# KiCad board simpleLogicCircuit.kicad_pcb
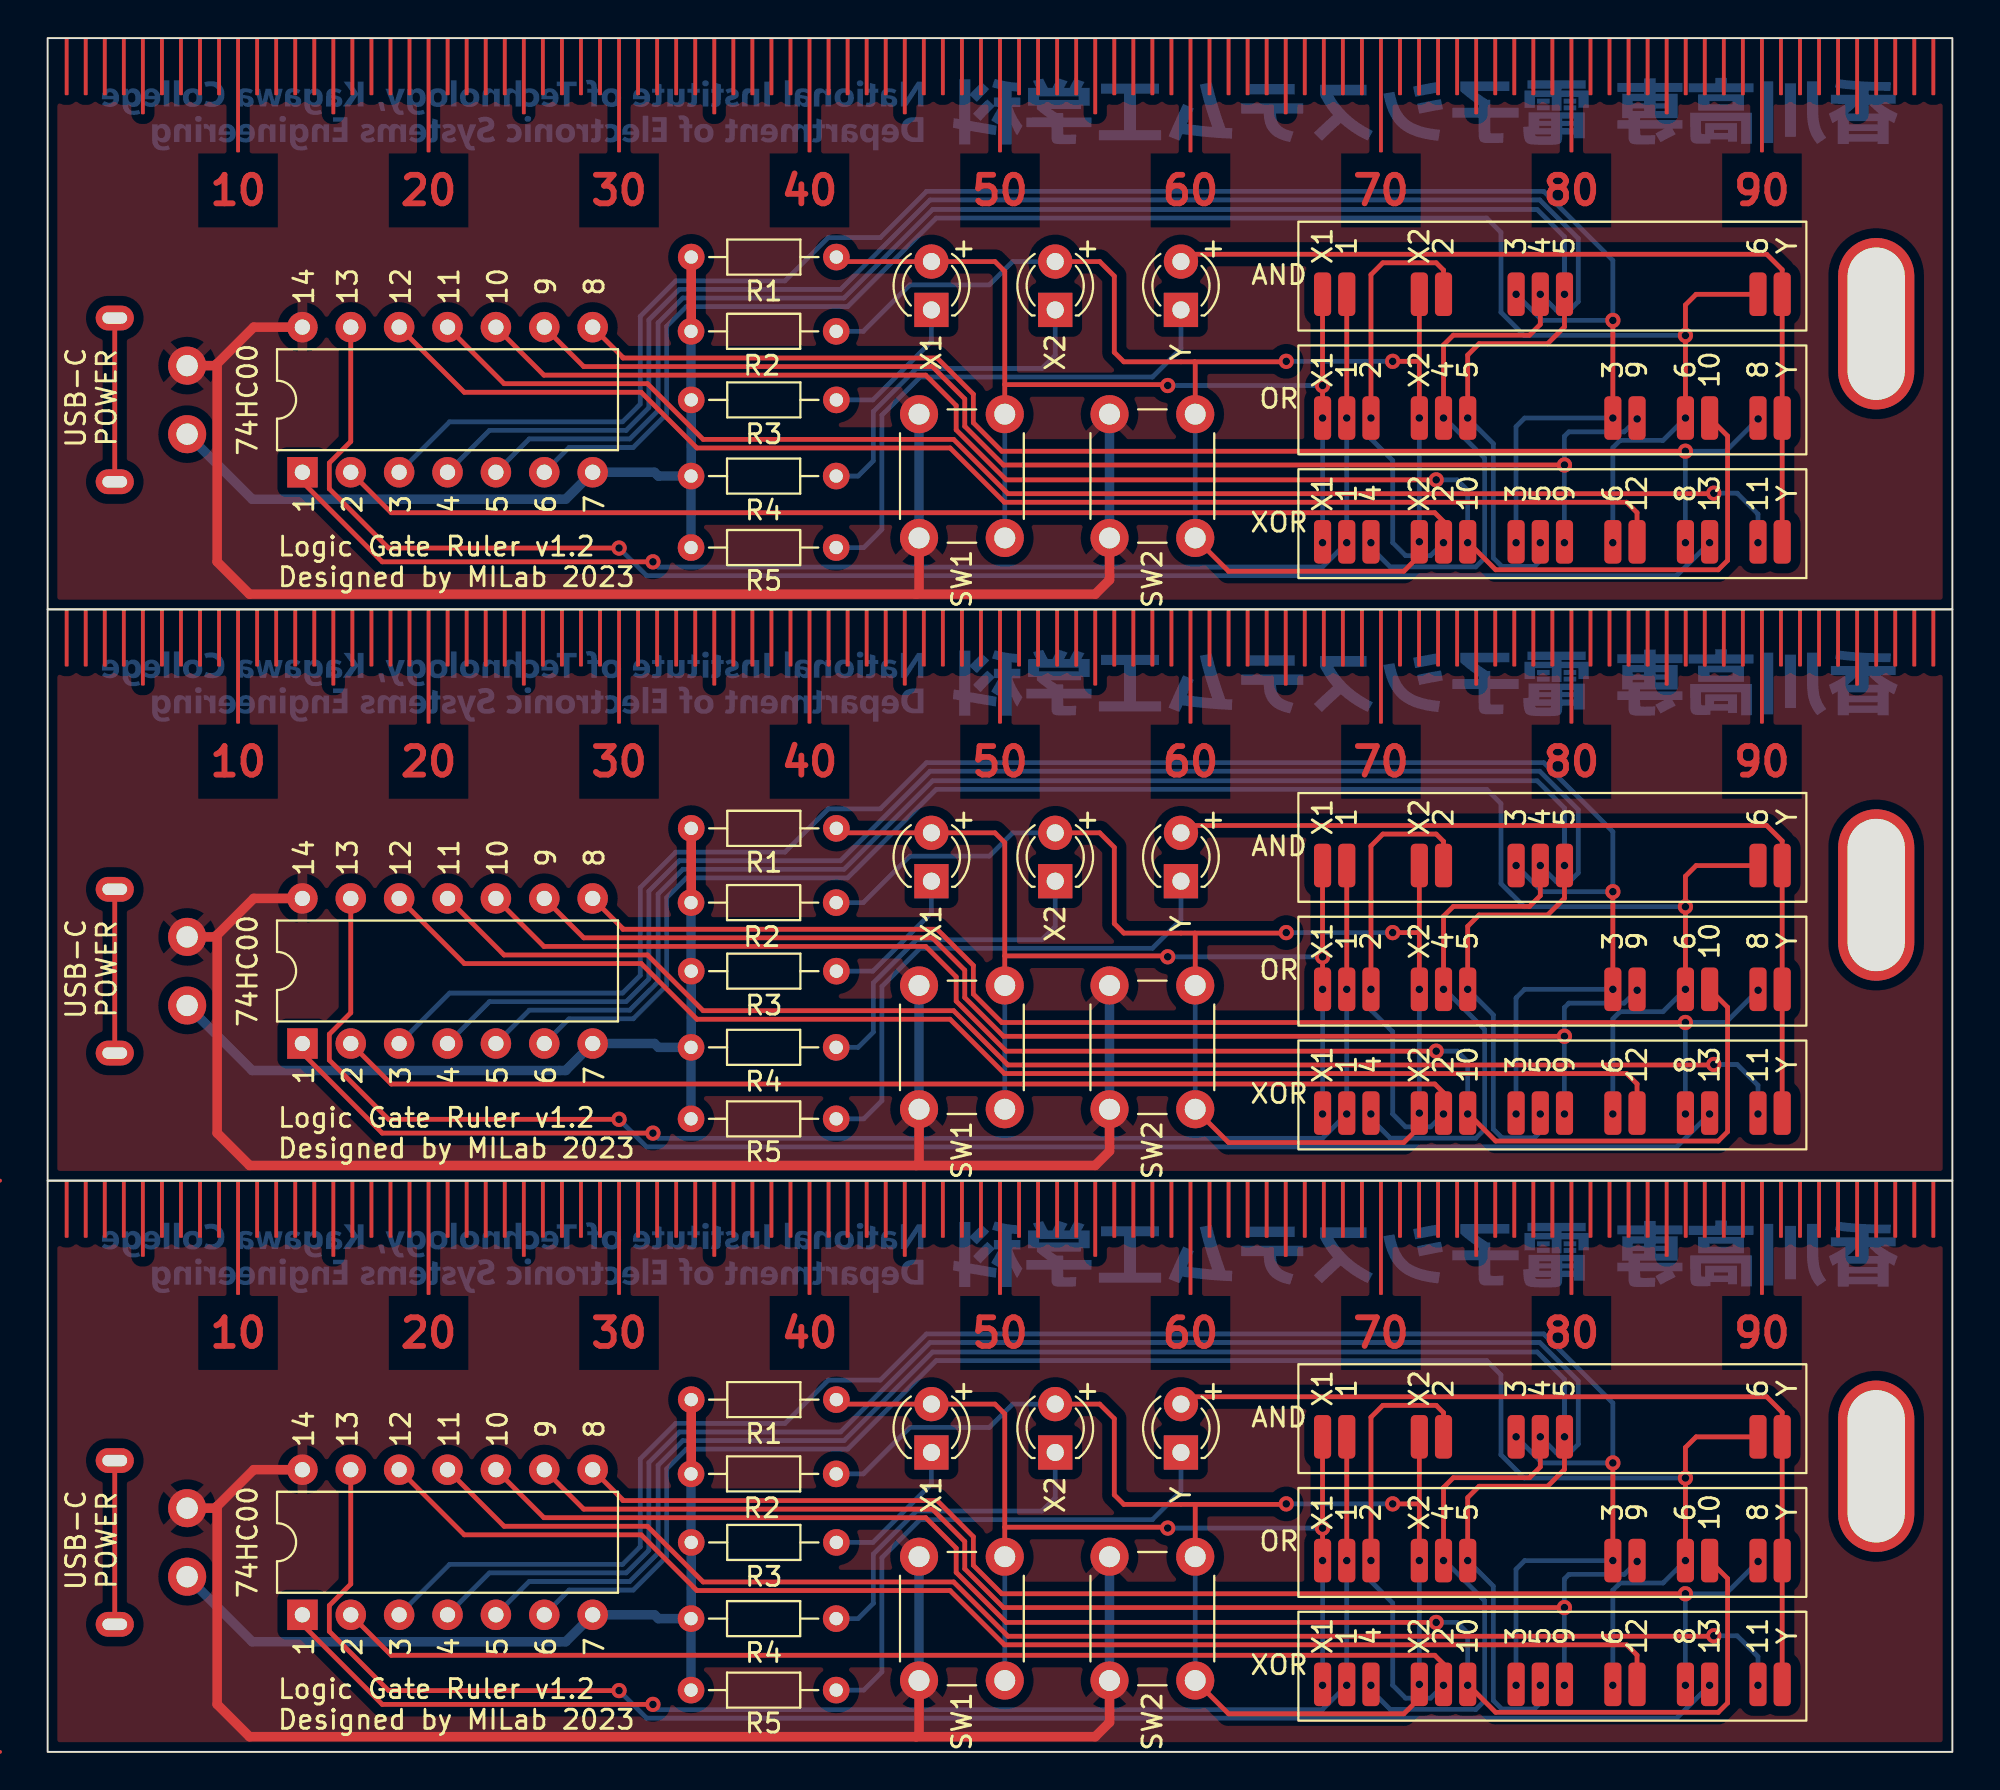
[diagram p0: board, top side]
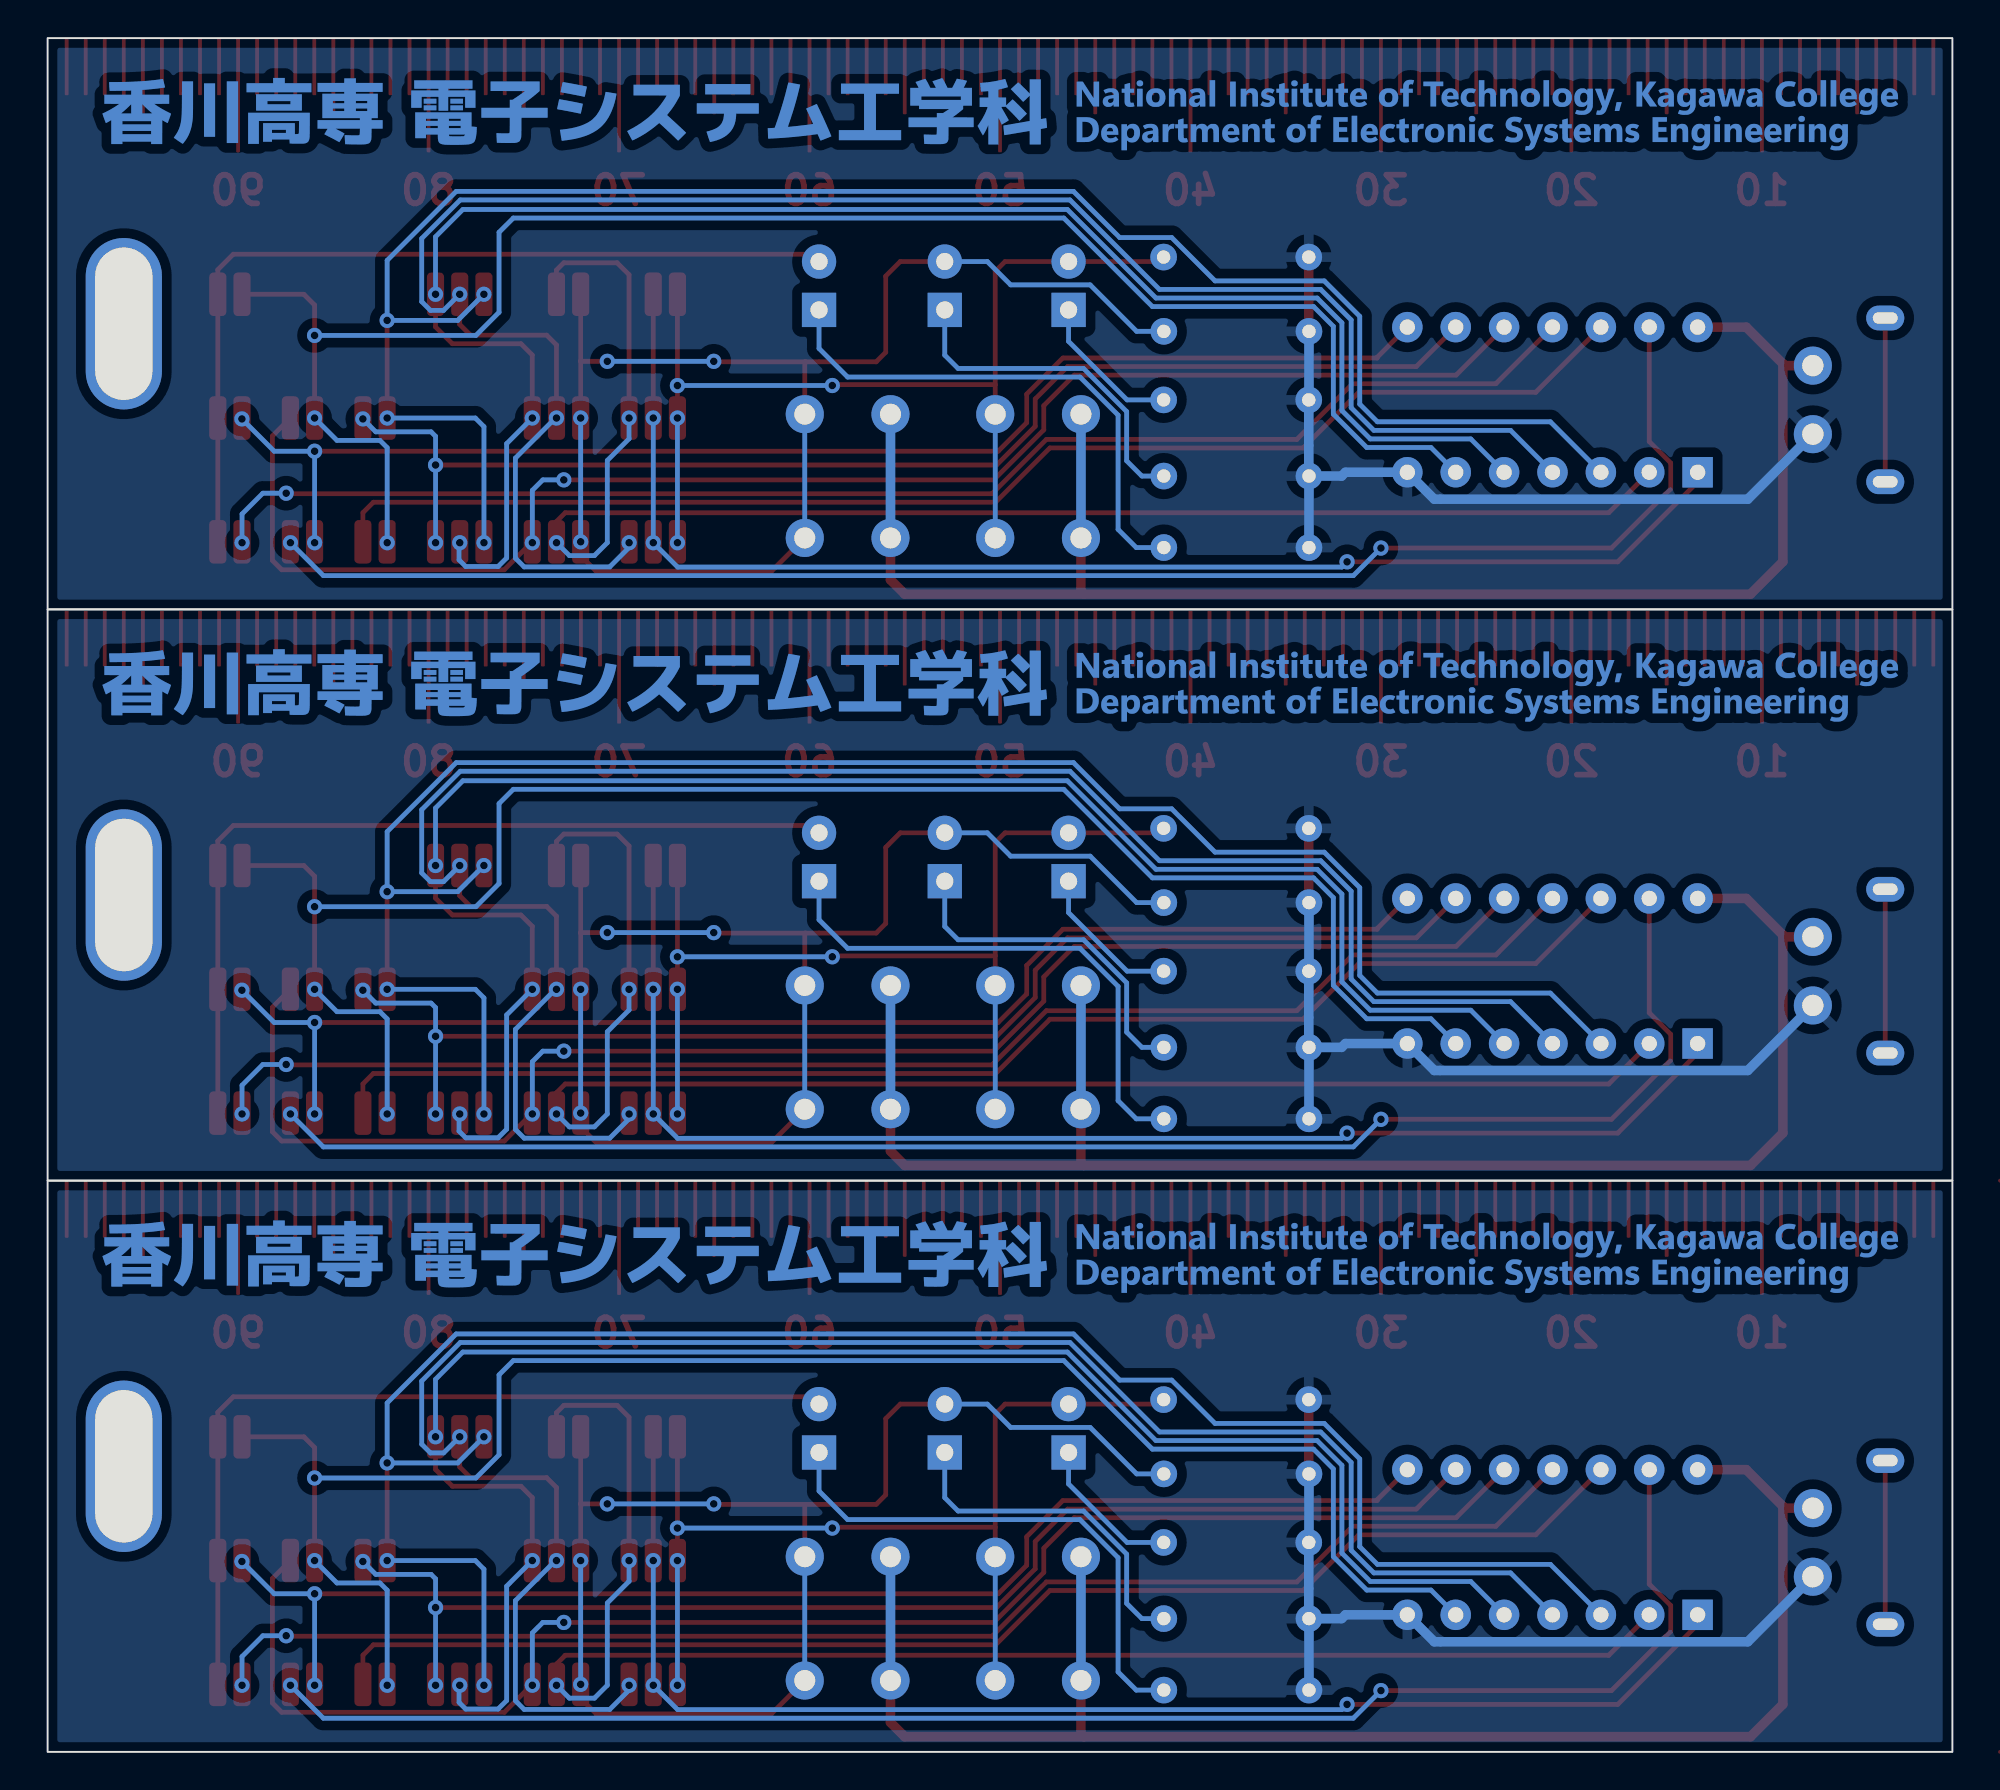
[diagram p1: board, bottom side, seen from below]

Outline 100 x 90 mm; copper layers: Top, Bottom. Coordinates in mm from the lower left corner of the outline.
Outline path: rectangle 0,90 100,60 ; rectangle 0,60 100,30 ; rectangle 0,30 100,0
Stack: Top 0.035mm / dielectric 1.51mm FR4 er 4.5 / Bottom 0.035mm

## Placement (name value [footprint] x y rotation side)
74HC00  74HC00  [DIP-14_W7.62mm]  13.38 37.2 90 top
74HC00#2  74HC00  [DIP-14_W7.62mm]  13.38 67.2 90 top
74HC00#3  74HC00  [DIP-14_W7.62mm]  13.38 7.2 90 top
AND  Pads_AND  [pads_of_and]  66.94 46.55 0 top
AND#2  Pads_AND  [pads_of_and]  66.94 16.55 0 top
AND#3  Pads_AND  [pads_of_and]  66.94 76.55 0 top
G***  LOGO  [logo_text_nitkc]  49.7 55.62 180 bottom
G***#2  LOGO  [logo_text_nitkc]  49.7 25.62 180 bottom
G***#3  LOGO  [logo_text_nitkc]  49.7 85.62 180 bottom
OR  Pads_OR  [pads_of_or]  66.94 70.05 0 top
OR#2  Pads_OR  [pads_of_or]  66.94 40.05 0 top
OR#3  Pads_OR  [pads_of_or]  66.94 10.05 0 top
R1  10k  [R_Axial_DIN0204_L3.6mm_D1.6mm_P7.62mm_Horizontal]  41.41 48.5 180 top
R1#2  10k  [R_Axial_DIN0204_L3.6mm_D1.6mm_P7.62mm_Horizontal]  41.41 78.5 180 top
R1#3  10k  [R_Axial_DIN0204_L3.6mm_D1.6mm_P7.62mm_Horizontal]  41.41 18.5 180 top
R2  10k  [R_Axial_DIN0204_L3.6mm_D1.6mm_P7.62mm_Horizontal]  41.4 14.6 180 top
R2#2  10k  [R_Axial_DIN0204_L3.6mm_D1.6mm_P7.62mm_Horizontal]  41.4 44.6 180 top
R2#3  10k  [R_Axial_DIN0204_L3.6mm_D1.6mm_P7.62mm_Horizontal]  41.4 74.6 180 top
R3  R  [R_Axial_DIN0204_L3.6mm_D1.6mm_P7.62mm_Horizontal]  41.41 71 180 top
R3#2  R  [R_Axial_DIN0204_L3.6mm_D1.6mm_P7.62mm_Horizontal]  41.41 41 180 top
R3#3  R  [R_Axial_DIN0204_L3.6mm_D1.6mm_P7.62mm_Horizontal]  41.41 11 180 top
R4  R  [R_Axial_DIN0204_L3.6mm_D1.6mm_P7.62mm_Horizontal]  41.4 37 180 top
R4#2  R  [R_Axial_DIN0204_L3.6mm_D1.6mm_P7.62mm_Horizontal]  41.4 7 180 top
R4#3  R  [R_Axial_DIN0204_L3.6mm_D1.6mm_P7.62mm_Horizontal]  41.4 67 180 top
R5  R  [R_Axial_DIN0204_L3.6mm_D1.6mm_P7.62mm_Horizontal]  41.4 33.25 180 top
R5#2  R  [R_Axial_DIN0204_L3.6mm_D1.6mm_P7.62mm_Horizontal]  41.4 63.25 180 top
R5#3  R  [R_Axial_DIN0204_L3.6mm_D1.6mm_P7.62mm_Horizontal]  41.4 3.25 180 top
REF**  -  [ruler_10cm]  0 60 0 top
REF**#2  -  [keyringhole]  96 15 0 top
REF**#3  -  [ruler_10cm]  0 90 0 top
REF**#4  -  [keyringhole]  96 45 0 top
REF**#5  -  [keyringhole]  96 75 0 top
REF**#6  -  [ruler_10cm]  0 30 0 top
SW1  SW_Push  [SW_PUSH_6mm]  45.75 63.75 90 top
SW1#2  SW_Push  [SW_PUSH_6mm]  45.75 33.75 90 top
SW1#3  SW_Push  [SW_PUSH_6mm]  45.75 3.75 90 top
SW2  SW_Push  [SW_PUSH_6mm]  55.75 33.75 90 top
SW2#2  SW_Push  [SW_PUSH_6mm]  55.75 3.75 90 top
SW2#3  SW_Push  [SW_PUSH_6mm]  55.75 63.75 90 top
USB-C PWR  USB_C_Receptacle_PowerOnly_6P  [USB-C-A295-CTRPB-1]  -0.07 71 270 top
USB-C PWR#2  USB_C_Receptacle_PowerOnly_6P  [USB-C-A295-CTRPB-1]  -0.07 11 270 top
USB-C PWR#3  USB_C_Receptacle_PowerOnly_6P  [USB-C-A295-CTRPB-1]  -0.07 41 270 top
X1  LED  [LED_D3.0mm]  46.4 15.72 90 top
X1#2  LED  [LED_D3.0mm]  46.4 45.72 90 top
X1#3  LED  [LED_D3.0mm]  46.4 75.72 90 top
X2  LED  [LED_D3.0mm]  52.9 15.72 90 top
X2#2  LED  [LED_D3.0mm]  52.9 45.72 90 top
X2#3  LED  [LED_D3.0mm]  52.9 75.72 90 top
XOR  Pads_XOR  [pads_of_xor]  66.94 63.55 0 top
XOR#2  Pads_XOR  [pads_of_xor]  66.94 33.55 0 top
XOR#3  Pads_XOR  [pads_of_xor]  66.94 3.55 0 top
Y  LED  [LED_D3.0mm]  59.5 45.72 90 top
Y#2  LED  [LED_D3.0mm]  59.5 75.72 90 top
Y#3  LED  [LED_D3.0mm]  59.5 15.72 90 top

## Footprints (pads in the part's own frame, mm; a bottom-side part is the same pattern mirrored in y, then rotated)
DIP-14_W7.62mm
  rect 1.6x1.6 hole 0.8: 1(0,0)
  oval 1.6x1.6 hole 0.8: 2(0,-2.54) 3(0,-5.08) 4(0,-7.62) 5(0,-10.16) 6(0,-12.7) 7(0,-15.24) 8(7.62,-15.24) 9(7.62,-12.7) 10(7.62,-10.16) 11(7.62,-7.62) 12(7.62,-5.08) 13(7.62,-2.54) 14(7.62,0)
keyringhole
  oval 4x9 hole 3x8: 2(0,0)
LED_D3.0mm
  rect 1.8x1.8 hole 0.9: 1(0,0)
  round 1.8 hole 0.9: 2(2.54,0)
pads_of_and
  rrect 0.9x2.286 smd: 1(0,0) 2(1.27,0) 3(5.08,0) 4(6.35,0) 5(10.16,0) 6(11.43,0) 7(12.7,0) 8(22.86,0) 9(24.13,0)
pads_of_or
  rrect 0.9x2.286 smd: 1(0,0) 2(1.27,0) 3(2.54,0) 4(5.08,0) 5(6.35,0) 6(7.62,0) 7(15.24,0) 8(16.51,0) 9(19.05,0) 10(20.32,0) 11(22.86,0) 12(24.13,0)
pads_of_xor
  rrect 0.9x2.286 smd: 1(0,0) 2(1.27,0) 3(2.54,0) 4(5.08,0) 5(6.35,0) 6(7.62,0) 7(10.16,0) 8(11.43,0) 9(12.7,0) 10(15.24,0) 11(16.51,0) 12(19.05,0) 13(20.32,0) 14(22.86,0) 15(24.13,0)
R_Axial_DIN0204_L3.6mm_D1.6mm_P7.62mm_Horizontal
  round 1.4 hole 0.7: 1(0,0)
  oval 1.4x1.4 hole 0.7: 2(7.62,0)
ruler_10cm
  rrect 0.2x6 smd: 4(10,-3) 5(20,-3) 6(30,-3) 7(40,-3) 8(50,-3) 9(60,-3) 10(70,-3) 11(80,-3) 12(90,-3)
  rrect 0.2x4 smd: 13(5,-2) 14(15,-2) 15(25,-2) 16(35,-2) 17(45,-2) 18(55,-2) 19(65,-2) 20(75,-2) 21(85,-2) 22(95,-2)
  rrect 0.2x3 smd: 23(4,-1.5) 24(3,-1.5) 25(2,-1.5) 26(1,-1.5) 27(6,-1.5) 28(7,-1.5) 29(8,-1.5) 30(9,-1.5) 31(11,-1.5) 32(12,-1.5) 33(13,-1.5) 34(14,-1.5) 35(16,-1.5) 36(17,-1.5) 37(18,-1.5) 38(19,-1.5) 39(21,-1.5) 40(22,-1.5) 41(23,-1.5) 42(24,-1.5) 43(26,-1.5) 44(27,-1.5) 45(28,-1.5) 46(29,-1.5) 47(31,-1.5) 48(32,-1.5) 49(33,-1.5) 50(34,-1.5) 51(36,-1.5) 52(37,-1.5) 53(38,-1.5) 54(39,-1.5) 55(41,-1.5) 56(42,-1.5) 57(43,-1.5) 58(44,-1.5) 59(46,-1.5) 60(47,-1.5) 61(48,-1.5) 62(49,-1.5) 63(51,-1.5) 64(52,-1.5) 65(53,-1.5) 66(54,-1.5) 67(56,-1.5) 68(57,-1.5) 69(58,-1.5) 70(59,-1.5) 71(61,-1.5) 73(62,-1.5) 74(63,-1.5) 75(64,-1.5) 76(66,-1.5) 77(67,-1.5) 78(68,-1.5) 79(69,-1.5) 80(71,-1.5) 81(72,-1.5) 82(73,-1.5) 83(74,-1.5) 84(76,-1.5) 85(77,-1.5) 86(78,-1.5) 87(79,-1.5) 88(81,-1.5) 89(82,-1.5) 90(83,-1.5) 91(84,-1.5) 92(86,-1.5) 93(87,-1.5) 94(88,-1.5) 95(89,-1.5) 96(91,-1.5) 97(92,-1.5) 98(93,-1.5) 99(94,-1.5) 100(96,-1.5) 101(97,-1.5) 102(98,-1.5) 103(99,-1.5)
SW_PUSH_6mm
  round 2 hole 1.1: 1(0,0) 1(6.5,0) 2(0,-4.5) 2(6.5,-4.5)
USB-C-A295-CTRPB-1
  round 2 hole 1.12: A9(-1.8,7.4) A12(1.8,7.4)
  oval 1.3x2 hole 0.6x1.3: S1(-4.3,3.6) S1(4.3,3.6)

## Nets
+5V: 74HC00.14 74HC00#2.14 74HC00#3.14 SW1.1 SW1#2.1 SW1#3.1 SW2.1 SW2#2.1 SW2#3.1 USB-C PWR.A9 USB-C PWR#2.A9 USB-C PWR#3.A9
GND: 74HC00.7 74HC00#2.7 74HC00#3.7 R1.2 R1#2.2 R1#3.2 R2.2 R2#2.2 R2#3.2 R3.2 R3#2.2 R3#3.2 R4.2 R4#2.2 R4#3.2 R5.2 R5#2.2 R5#3.2 USB-C PWR.A12 USB-C PWR#2.A12 USB-C PWR#3.A12
/74HC00-1: 74HC00.1 74HC00#2.1 74HC00#3.1 AND.2 AND#2.2 AND#3.2 OR.2 OR#2.2 OR#3.2 XOR.2 XOR#2.2 XOR#3.2
/74HC00-2: 74HC00.2 74HC00#2.2 74HC00#3.2 AND.4 AND#2.4 AND#3.4 OR.3 OR#2.3 OR#3.3 XOR.5 XOR#2.5 XOR#3.5
/74HC00-3: 74HC00.3 74HC00#2.3 74HC00#3.3 AND.5 AND#2.5 AND#3.5 OR.7 OR#2.7 OR#3.7 XOR.7 XOR#2.7 XOR#3.7
/74HC00-4: 74HC00.4 74HC00#2.4 74HC00#3.4 AND.6 AND#2.6 AND#3.6 OR.5 OR#2.5 OR#3.5 XOR.3 XOR#2.3 XOR#3.3
/74HC00-5: 74HC00.5 74HC00#2.5 74HC00#3.5 AND.7 AND#2.7 AND#3.7 OR.6 OR#2.6 OR#3.6 XOR.8 XOR#2.8 XOR#3.8
/74HC00-6: 74HC00.6 74HC00#2.6 74HC00#3.6 AND.8 AND#2.8 AND#3.8 OR.9 OR#2.9 OR#3.9 XOR.10 XOR#2.10 XOR#3.10
/74HC00-8: 74HC00.8 74HC00#2.8 74HC00#3.8 OR.11 OR#2.11 OR#3.11 XOR.12 XOR#2.12 XOR#3.12
/74HC00-9: 74HC00.9 74HC00#2.9 74HC00#3.9 OR.8 OR#2.8 OR#3.8 XOR.9 XOR#2.9 XOR#3.9
/74HC00-10: 74HC00.10 74HC00#2.10 74HC00#3.10 OR.10 OR#2.10 OR#3.10 XOR.6 XOR#2.6 XOR#3.6
/74HC00-11: 74HC00.11 74HC00#2.11 74HC00#3.11 XOR.14 XOR#2.14 XOR#3.14
/74HC00-12: 74HC00.12 74HC00#2.12 74HC00#3.12 XOR.11 XOR#2.11 XOR#3.11
/74HC00-13: 74HC00.13 74HC00#2.13 74HC00#3.13 XOR.13 XOR#2.13 XOR#3.13
/X1: AND.1 AND#2.1 AND#3.1 OR.1 OR#2.1 OR#3.1 R1.1 R1#2.1 R1#3.1 SW1.2 SW1#2.2 SW1#3.2 X1.2 X1#2.2 X1#3.2 XOR.1 XOR#2.1 XOR#3.1
/X2: AND.3 AND#2.3 AND#3.3 OR.4 OR#2.4 OR#3.4 R2.1 R2#2.1 R2#3.1 SW2.2 SW2#2.2 SW2#3.2 X2.2 X2#2.2 X2#3.2 XOR.4 XOR#2.4 XOR#3.4
/Y: AND.9 AND#2.9 AND#3.9 OR.12 OR#2.12 OR#3.12 XOR.15 XOR#2.15 XOR#3.15 Y.2 Y#2.2 Y#3.2
Net-(D1-Pad1): R3.1 R3#2.1 R3#3.1 X1.1 X1#2.1 X1#3.1
Net-(D2-Pad1): R4.1 R4#2.1 R4#3.1 X2.1 X2#2.1 X2#3.1
Net-(D3-Pad1): R5.1 R5#2.1 R5#3.1 Y.1 Y#2.1 Y#3.1

Pads without a net: REF** 4 5 6 7 8 9 10 11 12 13 14 15 16 17 18 19 20 21 22 23 24 25 26 27 28 29 30 31 32 33 34 35 36 37 38 39 40 41 42 43 44 45 46 47 48 49 50 51 52 53 54 55 56 57 58 59 60 61 62 63 64 65 66 67 68 69 70 71 73 74 75 76 77 78 79 80 81 82 83 84 85 86 87 88 89 90 91 92 93 94 95 96 97 98 99 100 101 102 103; REF**#2 2; REF**#3 4 5 6 7 8 9 10 11 12 13 14 15 16 17 18 19 20 21 22 23 24 25 26 27 28 29 30 31 32 33 34 35 36 37 38 39 40 41 42 43 44 45 46 47 48 49 50 51 52 53 54 55 56 57 58 59 60 61 62 63 64 65 66 67 68 69 70 71 73 74 75 76 77 78 79 80 81 82 83 84 85 86 87 88 89 90 91 92 93 94 95 96 97 98 99 100 101 102 103; REF**#4 2; REF**#5 2; REF**#6 4 5 6 7 8 9 10 11 12 13 14 15 16 17 18 19 20 21 22 23 24 25 26 27 28 29 30 31 32 33 34 35 36 37 38 39 40 41 42 43 44 45 46 47 48 49 50 51 52 53 54 55 56 57 58 59 60 61 62 63 64 65 66 67 68 69 70 71 73 74 75 76 77 78 79 80 81 82 83 84 85 86 87 88 89 90 91 92 93 94 95 96 97 98 99 100 101 102 103; USB-C PWR S1; USB-C PWR#2 S1; USB-C PWR#3 S1

## Via types
v1: diameter 0.8, hole 0.4, Top to Bottom, 114 vias

## Routing (per net, layer and track width the routed paths; a pad name or vN(x,y) marks a point on that pad's centre or on a via; arc(x,y) is an arc through that point)
+5V: length 250.1
  Top w0.5: 45.6,0.8 10.6,0.8 8.9,2.5 8.9,12.9 ; 45.6,0.8 55,0.8 55.75,1.55 SW2#2.1 ; 45.6,0.8 45.75,0.95 SW1#3.1 ; 8.9,72.9 8.9,62.5 10.6,60.8 45.6,60.8 ; 8.9,72.9 10.82,74.82 74HC00#2.14 ; 8.9,72.9 8.8,72.8 USB-C PWR.A9 ; 8.9,12.9 10.82,14.82 74HC00#3.14 ; 8.9,12.9 8.8,12.8 USB-C PWR#2.A9 ; 45.6,60.8 55,60.8 55.75,61.55 SW2#3.1 ; 45.6,60.8 45.75,60.95 SW1.1 ; 8.9,42.9 10.82,44.82 74HC00.14 ; 8.9,42.9 8.9,32.5 10.6,30.8 45.6,30.8 ; 8.9,42.9 8.8,42.8 USB-C PWR#3.A9 ; SW2.1 55.75,31.55 55,30.8 45.6,30.8 ; SW1#2.1 45.75,30.95 45.6,30.8
  Bottom w0.5: SW2.1 SW2.1 ; SW1#3.1 SW1#3.1 ; SW2#2.1 SW2#2.1 ; SW1.1 SW1.1 ; SW1#2.1 SW1#2.1 ; SW2#3.1 SW2#3.1
GND: length 131.4
  Top w0.5: R2#3.2 33.79,74.61 R1#2.2 ; R1#3.2 33.79,14.61 R2.2 ; R2#2.2 33.79,44.61 R1.2
  Bottom w0.5: R2#3.2 33.78,71.01 R3.2 33.79,67.01 ; 33.79,7.01 R3#3.2 33.78,11.01 R2.2 ; USB-C PWR.A12 10.74,65.78 27.2,65.78 74HC00#2.7 31.86,67.2 32.06,67 R4#3.2 R5#2.2 ; R2#2.2 33.78,41.01 R3#2.2 33.79,37.01 ; R5.2 R4.2 32.06,37 31.86,37.2 74HC00.7 27.2,35.78 10.74,35.78 USB-C PWR#3.A12 ; R5#3.2 R4#2.2 32.06,7 31.86,7.2 74HC00#3.7 27.2,5.78 10.74,5.78 USB-C PWR#2.A12
/74HC00-1: length 212.3
  Top w0.25: AND#2.2 v1(68.2,10.05) ; v1(31.78,2.5) 17.57,2.5 13.38,6.69 74HC00#3.1 ; v1(31.78,32.5) 17.57,32.5 13.38,36.69 74HC00.1 ; AND#3.2 v1(68.2,70.05) ; AND.2 v1(68.2,40.05) ; 74HC00#2.1 13.38,66.69 17.57,62.5 v1(31.78,62.5)
  Bottom w0.25: v1(68.2,10.05) 68.2,10.05 v1(68.2,3.5) 66.92,2.22 32.05,2.22 v1(31.78,2.5) ; v1(68.2,70.05) 68.2,70.05 v1(68.2,63.5) 66.92,62.22 32.05,62.22 v1(31.78,62.5) ; v1(68.2,40.05) 68.2,40.05 v1(68.2,33.5) 66.92,32.22 32.05,32.22 v1(31.78,32.5)
/74HC00-2: length 248.3
  Top w0.25: v1(69.47,40.05) 69.47,47.58 70.1,48.2 72.9,48.2 73.28,47.81 AND.4 ; 74HC00.2 18.04,35.08 72.83,35.08 73.28,34.61 XOR#2.5 ; XOR#3.5 73.28,4.61 72.83,5.08 18.04,5.08 74HC00#3.2 ; 74HC00#2.2 18.04,65.08 72.83,65.08 73.28,64.62 XOR.5 ; AND#3.4 73.28,77.81 72.9,78.2 70.1,78.2 69.47,77.58 v1(69.47,70.05) ; v1(69.47,10.05) 69.47,17.58 70.1,18.2 72.9,18.2 73.28,17.81 AND#2.4
  Bottom w0.25: v1(73.28,3.5) 72.61,2.82 71.29,2.82 70.62,3.5 70.62,7.82 69.47,8.96 v1(69.47,10.05) ; v1(73.28,33.5) 72.61,32.82 71.29,32.82 70.62,33.5 70.62,37.82 69.47,38.96 v1(69.47,40.05) ; v1(73.28,63.5) 72.61,62.82 71.29,62.82 70.62,63.5 70.62,67.82 69.47,68.96 v1(69.47,70.05)
/74HC00-3: length 298
  Top w0.25: v1(82.17,15.17) v1(82.17,10.05) ; v1(82.17,45.17) v1(82.17,40.05) ; v1(82.17,75.17) v1(82.17,70.05)
  Bottom w0.25: 74HC00.3 21.1,39.85 30.19,39.85 31.11,40.78 31.11,45.39 32.98,47.25 38.71,47.25 40.99,49.53 43.72,49.53 46.14,51.95 78.55,51.95 82.17,48.33 v1(82.17,45.17) 78.47,45.17 v1(77.09,46.55) ; v1(77.09,3.5) 77.09,9.6 77.54,10.05 v1(82.17,10.05) ; v1(77.09,33.5) 77.09,39.6 77.54,40.05 v1(82.17,40.05) ; v1(77.09,16.55) 78.47,15.17 v1(82.17,15.17) 82.17,18.33 78.55,21.95 46.14,21.95 43.72,19.53 40.99,19.53 38.71,17.25 32.98,17.25 31.11,15.39 31.11,10.78 30.19,9.85 21.1,9.85 74HC00#3.3 ; 74HC00#2.3 21.1,69.85 30.19,69.85 31.11,70.78 31.11,75.39 32.98,77.25 38.71,77.25 40.99,79.53 43.72,79.53 46.14,81.95 78.55,81.95 82.17,78.33 v1(82.17,75.17) 78.47,75.17 v1(77.09,76.55) ; v1(82.17,70.05) 77.54,70.05 77.09,69.6 v1(77.09,63.5)
/74HC00-4: length 302.2
  Top w0.25: v1(78.36,76.55) 78.36,74.97 77.8,74.4 73.8,74.4 73.28,73.88 v1(73.28,70.05) ; v1(73.28,40.05) 73.28,43.89 73.8,44.4 77.8,44.4 78.36,44.97 v1(78.36,46.55) ; v1(78.36,16.55) 78.36,14.97 77.8,14.4 73.8,14.4 73.28,13.89 v1(73.28,10.05)
  Bottom w0.25: v1(69.47,33.5) 69.47,33.25 70.49,32.23 74.98,32.23 75.44,32.69 75.44,37.94 73.34,40.05 v1(73.28,40.05) ; v1(78.36,46.55) 79.21,45.7 79.9,45.7 80.36,46.16 80.36,49.48 78.34,51.5 46.33,51.5 41.63,46.8 33.16,46.8 31.56,45.2 31.56,40.59 30.37,39.4 23.2,39.4 74HC00.4 ; 74HC00#2.4 23.2,69.4 30.37,69.4 31.56,70.59 31.56,75.2 33.16,76.8 41.63,76.8 46.33,81.5 78.34,81.5 80.36,79.48 80.36,76.16 79.9,75.7 79.21,75.7 v1(78.36,76.55) ; v1(73.28,10.05) 73.34,10.05 75.44,7.94 75.44,2.69 74.98,2.23 70.49,2.23 69.47,3.25 v1(69.47,3.5) ; v1(78.36,16.55) 79.21,15.7 79.9,15.7 80.36,16.16 80.36,19.48 78.34,21.5 46.33,21.5 41.63,16.8 33.16,16.8 31.56,15.2 31.56,10.59 30.37,9.4 23.2,9.4 74HC00#3.4 ; v1(73.28,70.05) 73.34,70.05 75.44,67.94 75.44,62.69 74.98,62.23 70.49,62.23 69.47,63.25 v1(69.47,63.5)
/74HC00-5: length 271.5
  Top w0.25: v1(79.64,46.55) 79.64,44.83 78.75,43.95 75.15,43.95 74.56,43.36 v1(74.56,40.05) ; v1(79.64,16.55) 79.64,14.83 78.75,13.95 75.15,13.95 74.56,13.36 v1(74.56,10.05) ; v1(79.64,76.55) 79.64,74.84 78.75,73.95 75.15,73.95 74.56,73.35 v1(74.56,70.05)
  Bottom w0.25: v1(79.64,46.55) 79.64,49.56 78.2,51 46.46,51 41.81,46.35 33.35,46.35 32.05,45.05 32.05,40.44 30.56,38.95 25.28,38.95 74HC00.5 ; 74HC00#3.5 25.28,8.95 30.56,8.95 32.05,10.44 32.05,15.05 33.35,16.35 41.81,16.35 46.46,21 78.2,21 79.64,19.56 v1(79.64,16.55) ; v1(78.36,33.5) 78.4,33.46 78.4,32.6 78.05,32.25 76.35,32.25 75.9,32.7 75.9,38.7 v1(74.56,40.05) ; v1(79.64,76.55) 79.64,79.56 78.2,81 46.46,81 41.81,76.35 33.35,76.35 32.05,75.05 32.05,70.44 30.56,68.95 25.28,68.95 74HC00#2.5 ; v1(78.36,63.5) 78.4,63.46 78.4,62.6 78.05,62.25 76.35,62.25 75.9,62.7 75.9,68.7 v1(74.56,70.05) ; v1(78.36,3.5) 78.4,3.46 78.4,2.6 78.05,2.25 76.35,2.25 75.9,2.7 75.9,8.7 v1(74.56,10.05)
/74HC00-6: length 277.8
  Top w0.25: v1(85.98,10.05) v1(85.98,14.39) 85.98,15.98 86.55,16.55 89.8,16.55 AND#2.8 ; AND.8 89.8,46.55 86.55,46.55 85.98,45.98 v1(85.98,44.39) v1(85.98,40.05) ; AND#3.8 89.8,76.55 86.55,76.55 85.98,75.98 v1(85.98,74.38) v1(85.98,70.05)
  Bottom w0.25: v1(85.98,10.05) 84.81,8.87 82.55,8.87 82.17,8.49 v1(82.17,3.5) ; v1(85.98,40.05) 84.81,38.87 82.55,38.87 82.17,38.49 v1(82.17,33.5) ; v1(85.98,14.39) 77.52,14.39 76.3,15.6 76.3,19.8 75.55,20.55 46.65,20.55 42,15.9 33.54,15.9 32.5,14.86 32.5,10.25 30.75,8.5 27.38,8.5 74HC00#3.6 ; v1(85.98,74.38) 77.52,74.38 76.3,75.6 76.3,79.8 75.55,80.55 46.65,80.55 42,75.9 33.54,75.9 32.5,74.86 32.5,70.25 30.75,68.5 27.38,68.5 74HC00#2.6 ; v1(82.17,63.5) 82.17,68.49 82.55,68.87 84.81,68.87 v1(85.98,70.05) ; 74HC00.6 27.38,38.5 30.75,38.5 32.5,40.25 32.5,44.86 33.54,45.9 42,45.9 46.65,50.55 75.55,50.55 76.3,49.8 76.3,45.6 77.52,44.39 v1(85.98,44.39)
/74HC00-8: length 210.9
  Top w0.25: v1(85.98,68.31) 50.09,68.31 48.6,69.8 48.6,71.3 46.7,73.2 30.2,73.2 30.2,73.23 74HC00#2.8 ; v1(85.98,38.31) 50.09,38.31 48.6,39.8 48.6,41.3 46.7,43.2 30.2,43.2 30.2,43.23 74HC00.8 ; v1(85.98,8.31) 50.09,8.31 48.6,9.8 48.6,11.3 46.7,13.2 30.2,13.2 30.2,13.23 74HC00#3.8
  Bottom w0.25: v1(89.8,10) 88.11,8.31 v1(85.98,8.31) v1(85.98,3.5) ; v1(85.98,33.5) v1(85.98,38.31) 88.11,38.31 v1(89.8,40) ; v1(89.8,70) 88.11,68.31 v1(85.98,68.31) v1(85.98,63.5)
/74HC00-9: length 201.5
  Top w0.25: v1(79.63,37.58) 50.18,37.58 48.15,39.61 48.15,41.05 46.45,42.75 28.15,42.75 74HC00.9 ; 74HC00#3.9 28.15,12.75 46.45,12.75 48.15,11.05 48.15,9.61 50.18,7.58 v1(79.63,7.58) ; v1(79.63,67.58) 50.18,67.58 48.15,69.61 48.15,71.05 46.45,72.75 28.15,72.75 74HC00#2.9
  Bottom w0.25: v1(79.63,63.5) 79.63,69.09 79.87,69.32 82.77,69.32 v1(83.45,70) ; v1(79.63,33.5) 79.63,39.09 79.87,39.32 82.77,39.32 v1(83.45,40) ; v1(83.45,10) 82.77,9.32 79.87,9.32 79.63,9.09 v1(79.63,3.5)
/74HC00-10: length 241.2
  Top w0.25: 74HC00#2.10 26.05,72.3 46.1,72.3 47.7,70.7 47.7,69.43 50.33,66.8 v1(72.9,66.8) ; 74HC00.10 26.05,42.3 46.1,42.3 47.7,40.7 47.7,39.43 50.33,36.8 v1(72.9,36.8) ; OR#2.10 88.2,39.1 88.2,32.57 87.71,32.08 76.02,32.08 XOR#2.6 ; XOR.6 76.02,62.08 87.71,62.08 88.2,62.57 88.2,69.1 OR.10 ; 74HC00#3.10 26.05,12.3 46.1,12.3 47.7,10.7 47.7,9.43 50.33,6.8 v1(72.9,6.8) ; XOR#3.6 76.02,2.08 87.71,2.08 88.2,2.57 88.2,9.1 OR#3.10
  Bottom w0.25: v1(72.9,36.8) 74,36.8 74.55,36.25 v1(74.55,33.5) ; v1(72.9,66.8) 74,66.8 74.55,66.25 v1(74.55,63.5) ; v1(74.55,3.5) 74.55,6.25 74,6.8 v1(72.9,6.8)
/74HC00-11: length 223.2
  Top w0.25: 74HC00#2.11 23.97,71.85 31.49,71.85 34.42,68.92 47.57,68.92 50.42,66.08 87.45,66.08 v1(87.48,66.1) ; v1(87.48,36.1) 87.45,36.08 50.42,36.08 47.57,38.92 34.42,38.92 31.49,41.85 23.97,41.85 74HC00.11 ; v1(87.48,6.1) 87.45,6.08 50.42,6.08 47.57,8.92 34.42,8.92 31.49,11.85 23.97,11.85 74HC00#3.11
  Bottom w0.25: v1(89.79,3.5) 89.79,5.01 88.7,6.1 v1(87.48,6.1) ; v1(89.79,33.5) 89.79,35.01 88.7,36.1 v1(87.48,36.1) ; v1(87.48,66.1) 88.7,66.1 89.79,65.01 v1(89.79,63.5)
/74HC00-12: length 211.7
  Top w0.25: 83.44,33.55 83.44,35.08 82.9,35.62 50.23,35.62 47.38,38.47 34.09,38.47 31.16,41.4 21.88,41.4 74HC00.12 ; 83.44,63.55 83.44,65.08 82.9,65.62 50.23,65.62 47.38,68.47 34.09,68.47 31.16,71.4 21.88,71.4 74HC00#2.12 ; 83.44,3.55 83.44,5.08 82.9,5.62 50.23,5.62 47.38,8.47 34.09,8.47 31.16,11.4 21.88,11.4 74HC00#3.12
/74HC00-13: length 252.1
  Top w0.25: v1(30,3.22) 17.9,3.22 14.79,6.33 14.79,7.69 15.91,8.81 74HC00#3.13 ; v1(30,63.22) 17.9,63.22 14.79,66.33 14.79,67.69 15.91,68.81 74HC00#2.13 ; 74HC00.13 15.91,38.81 14.79,37.69 14.79,36.33 17.9,33.22 v1(30,33.22)
  Bottom w0.25: v1(87.25,3.5) 85.52,1.77 31.45,1.77 v1(30,3.22) ; v1(87.25,63.5) 85.52,61.77 31.45,61.77 v1(30,63.22) ; v1(30,33.22) 31.45,31.77 85.52,31.77 v1(87.25,33.5)
/X1: length 158.7
  Top w0.25: AND.1 v1(66.94,41.75) v1(66.94,40.05) ; 50.25,71.8 SW1.2 ; 50.25,71.8 50.25,77.75 49.73,78.27 X1#3.2 41.64,78.27 R1#2.1 ; 50.25,71.8 58.76,71.8 v1(58.81,71.75) ; 50.25,41.8 50.25,47.75 49.73,48.27 X1#2.2 41.64,48.27 R1.1 ; 50.25,41.8 58.76,41.8 v1(58.81,41.75) ; 50.25,41.8 SW1#2.2 ; v1(66.94,70.05) v1(66.94,71.75) AND#3.1 ; AND#2.1 v1(66.94,11.75) v1(66.94,10.05) ; v1(58.81,11.75) 58.76,11.8 50.25,11.8 ; 50.25,11.8 SW1#3.2 ; 50.25,11.8 50.25,17.75 49.73,18.27 X1.2 41.64,18.27 R1#3.1
  Bottom w0.25: v1(66.94,71.75) 66.93,71.75 v1(58.81,71.75) ; v1(66.94,40.05) 66.94,33.5 v1(66.93,33.5) ; v1(66.94,41.75) 66.93,41.75 v1(58.81,41.75) ; SW1#3.2 SW1#3.2 ; v1(66.93,63.5) 66.94,63.5 v1(66.94,70.05) ; v1(66.94,11.75) 66.93,11.75 v1(58.81,11.75) ; v1(66.94,10.05) 66.94,3.5 v1(66.93,3.5) ; SW1.2 SW1.2 ; SW1#2.2 SW1#2.2
/X2: length 217.5
  Top w0.25: v1(72.02,63.55) 72.02,62.81 71.2,62 62,62 SW2#3.2 ; 60.23,73 56.5,73 56,73.5 56,77.5 55.23,78.27 X2#3.2 ; 60.23,73 60.25,72.98 SW2#3.2 ; 60.23,73 65,73 v1(65.03,73.03) ; v1(65.03,43.03) 65,43 60.23,43 ; 72.02,73.02 AND#3.3 ; 72.02,73.02 v1(72.02,70.05) ; 72.02,73.02 72.01,73.03 v1(70.62,73.03) ; SW2.2 62,32 71.2,32 72.02,32.81 v1(72.02,33.55) ; SW2#2.2 62,2 71.2,2 72.02,2.81 v1(72.02,3.55) ; 60.23,43 60.25,42.98 SW2.2 ; 60.23,43 56.5,43 56,43.5 56,47.5 55.23,48.27 X2#2.2 ; 72.02,13.02 AND#2.3 ; 72.02,13.02 v1(72.02,10.05) ; 72.02,13.02 72.01,13.03 v1(70.62,13.03) ; v1(72.02,40.05) 72.02,43.02 ; 72.02,43.02 AND.3 ; 72.02,43.02 72.01,43.03 v1(70.62,43.03) ; SW2#2.2 60.25,12.98 60.23,13 ; X2.2 55.23,18.27 56,17.5 56,13.5 56.5,13 60.23,13 ; v1(65.03,13.03) 65,13 60.23,13
  Bottom w0.25: v1(65.03,43.03) v1(70.62,43.03) ; X2#2.2 50.67,48.27 49.44,47.04 45.27,47.04 42.83,44.6 R2#2.1 ; v1(65.03,13.03) v1(70.62,13.03) ; X2#3.2 50.67,78.27 49.44,77.04 45.27,77.04 42.83,74.6 R2#3.1 ; SW2.2 SW2.2 ; v1(72.02,3.55) v1(72.02,10.05) ; SW2#3.2 SW2#3.2 ; v1(65.03,73.03) v1(70.62,73.03) ; v1(72.02,63.55) v1(72.02,70.05) ; v1(72.02,33.55) v1(72.02,40.05) ; SW2#2.2 SW2#2.2 ; X2.2 50.67,18.27 49.44,17.04 45.27,17.04 42.83,14.6 R2.1
/Y: length 139
  Top w0.25: Y#2.2 59.89,78.65 90.25,78.65 91.06,77.84 AND#3.9 OR.12 XOR.15 ; Y.2 59.89,48.65 90.25,48.65 91.06,47.83 AND.9 OR#2.12 XOR#2.15 ; XOR#3.15 OR#3.12 AND#2.9 91.06,17.83 90.25,18.65 59.89,18.65 Y#3.2
Net-(D1-Pad1): length 23.7
  Bottom w0.25: R3#2.1 43.33,41 46.4,44.07 X1#2.1 ; X1.1 46.4,14.07 43.33,11 R3#3.1 ; X1#3.1 46.4,74.07 43.33,71 R3.1
Net-(D2-Pad1): length 54.1
  Bottom w0.25: X2#3.1 52.9,73.35 52.2,72.65 45.61,72.65 43.35,70.39 43.35,67.8 42.55,67 R4#3.1 ; R4#2.1 42.55,7 43.35,7.8 43.35,10.39 45.61,12.65 52.2,12.65 52.9,13.35 X2.1 ; X2#2.1 52.9,43.35 52.2,42.65 45.61,42.65 43.35,40.39 43.35,37.8 42.55,37 R4.1
Net-(D3-Pad1): length 83.9
  Bottom w0.25: R5#2.1 42.85,63.25 43.8,64.2 43.8,70.2 45.8,72.2 58,72.2 59.5,73.7 Y#2.1 ; R5.1 42.85,33.25 43.8,34.2 43.8,40.2 45.8,42.2 58,42.2 59.5,43.7 Y.1 ; R5#3.1 42.85,3.25 43.8,4.2 43.8,10.2 45.8,12.2 58,12.2 59.5,13.7 Y#3.1
unconnected-(J1-PadS1): length 25.8
  Top w0.25: USB-C PWR#2.S1 USB-C PWR#2.S1 ; USB-C PWR#3.S1 USB-C PWR#3.S1 ; USB-C PWR.S1 USB-C PWR.S1

## Copper pours and planes (outline as drawn; the poured copper is in the pictures)
+5V on Top: 100,60 0,60 0,90 100,90
+5V on Top: 100,30 0,30 0,60 100,60
+5V on Top: 100,0 0,0 0,30 100,30
GND on Bottom: 100,0 0,0 0,30 100,30
GND on Bottom: 100,60 0,60 0,90 100,90
GND on Bottom: 100,30 0,30 0,60 100,60

## Text on the board
F.Silkscreen: Logic Gate Ruler v1.2 / Designed by MILab 2023 | + | USB-C / POWER | 14 | 1 | 13 | 2 | 12 | 3 | 11 | 4 | 10 | 5 | 9 | 6 | 8 | 7
